# Altium PCB board_ordered.PcbDoc (part 2 of 3) (continued)
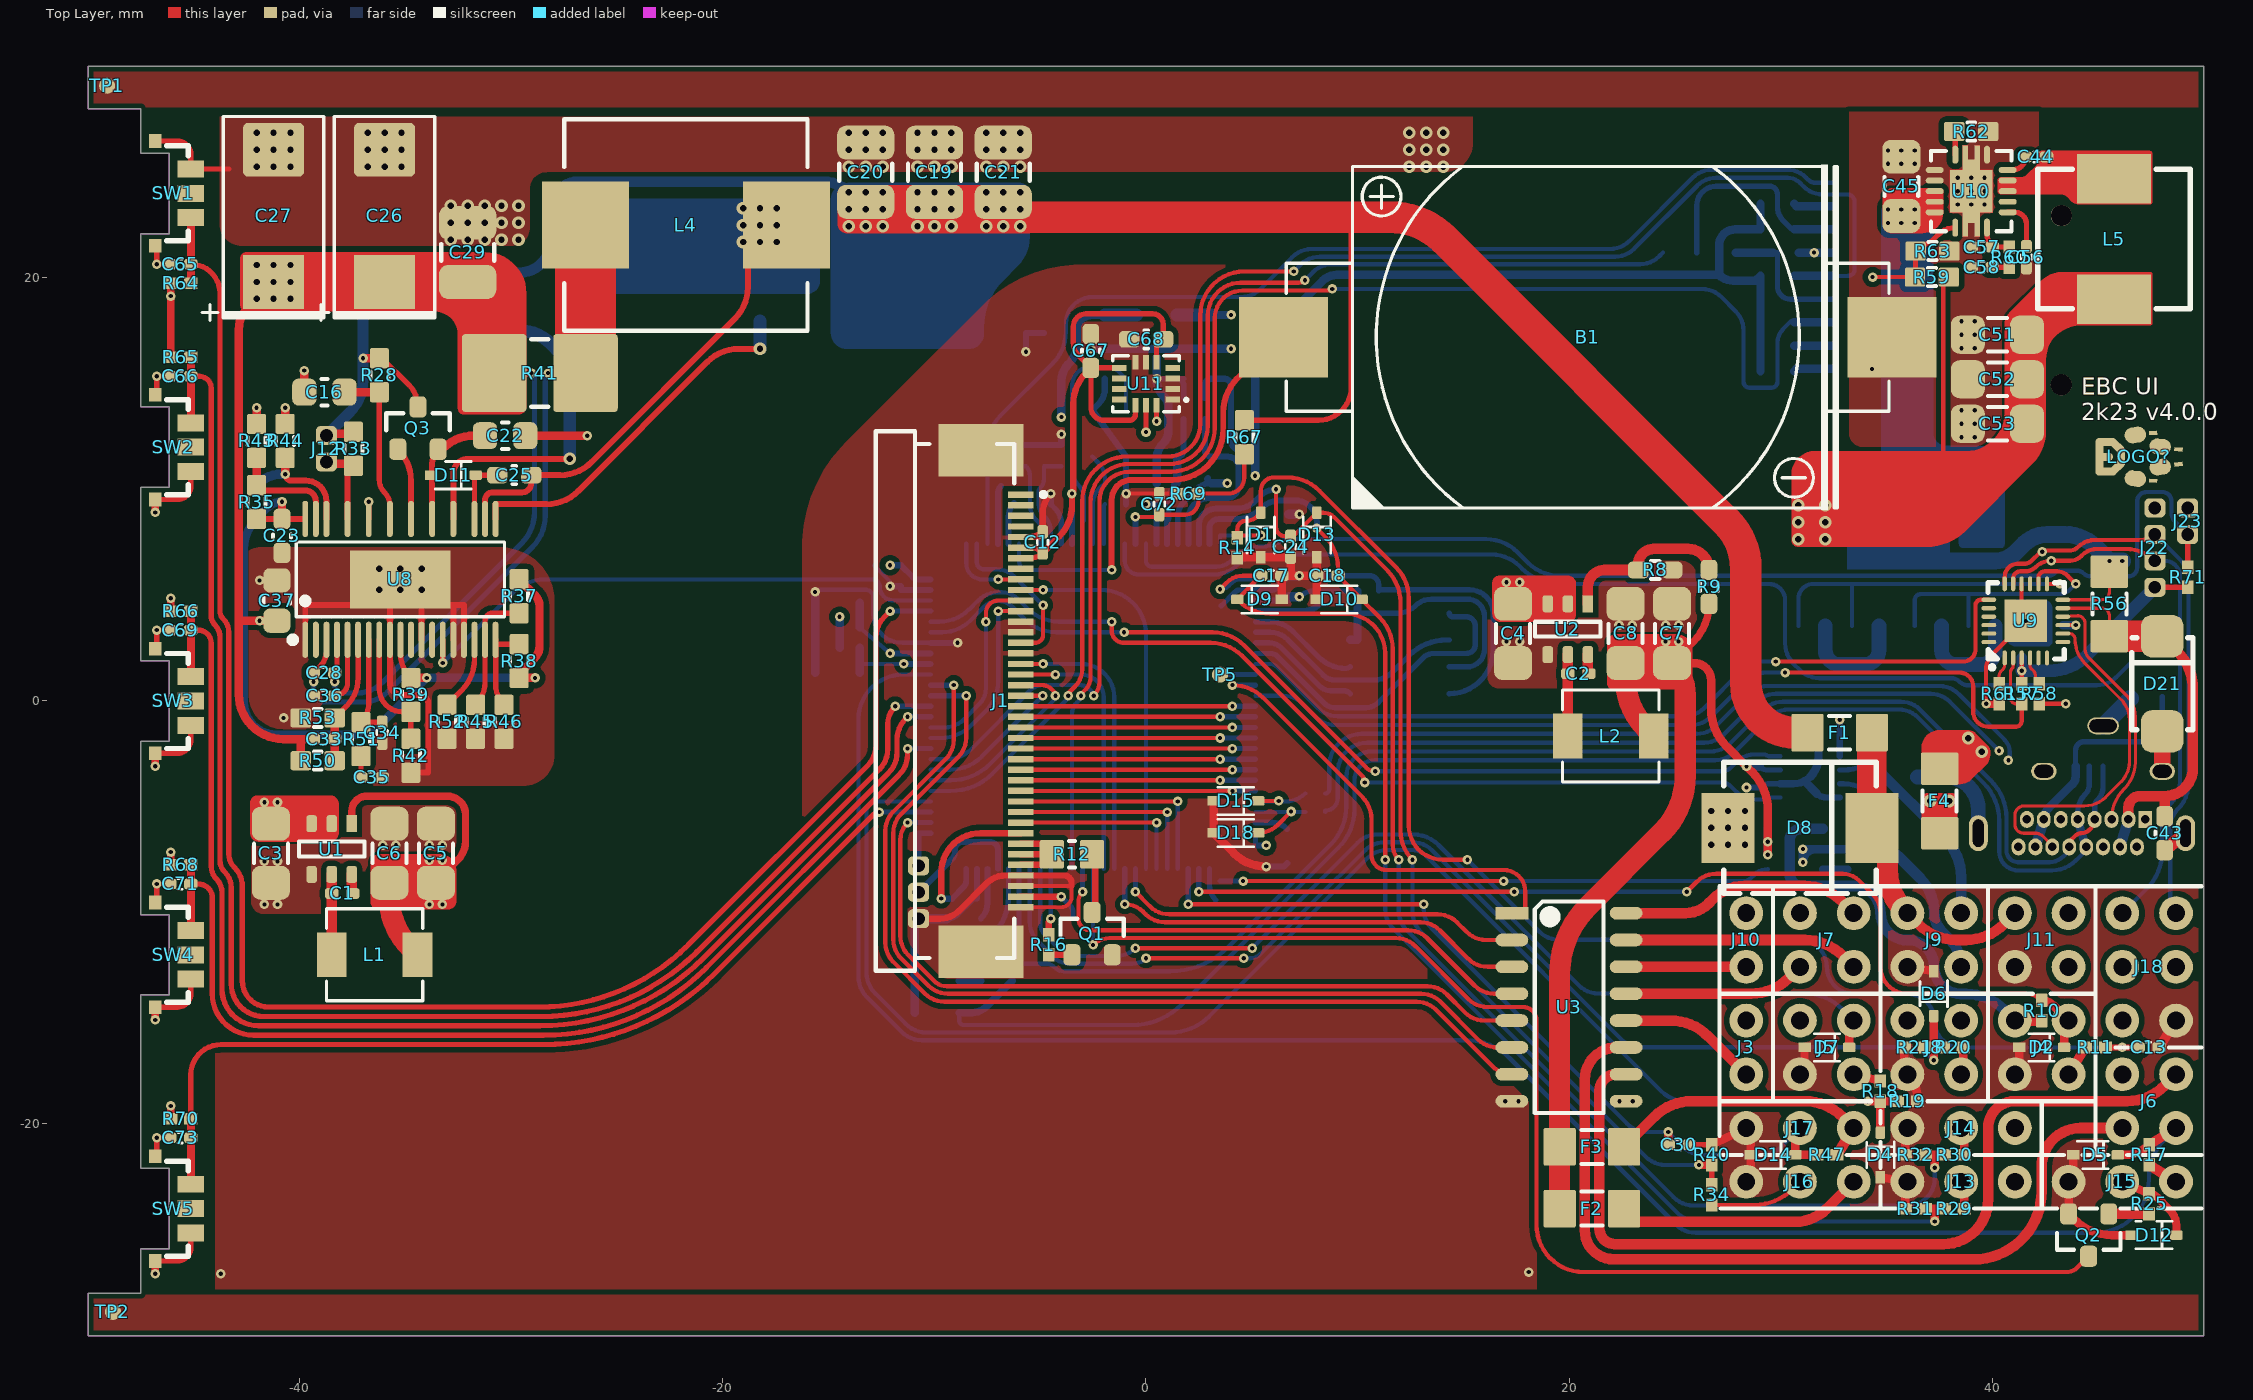
[diagram p0: Top Layer view]
## Nets (pads, with @x,y where several pads share a name; then routed paths per layer and width w, separated by ;. In a path a pad name is that pad's centre, name@x,y a point inside that pad or via, vN(x,y) a via of type N, cw(c..) or ccw(c..) an arc to the next point about the centre after c; other vN are vias at no path point) (continued)
  Top Layer w0.18: J1.40@-5.925,-9.75 -4,-9.75 ccw(c-4,-9.271) -3.521,-9.271 -3.521,-8.75 J1.38@-5.925,-8.75
  Top Layer w0.2: v1(-46.77,-20.65) C73.2@-46.163,-20.65 ; v1(-46.77,-8.65) C71.2@-46.163,-8.65 ; v1(-46.77,3.35) C69.2@-46.163,3.35 ; v1(-46.77,15.35) C66.2@-46.163,15.35 ; v1(-46.77,20.65) C65.2@-46.163,20.65 ; v1(-0.944,9.806) R69.2@1.524,9.806 ; v1(39.727,-0.131) cw(c39.727,-0.119) 39.716,-0.119 39.716,1.465 cw(c40.774,1.465) 40.025,2.213 v1(41.6,3.787) cw(c42.083,4.27) 41.4,4.27 U9.16@41.4,5.537
  Top Layer w0.25: SW5.4@-46.838,-26.475 -45.798,-26.475 ccw(c-45.798,-25.84) -45.163,-25.84 SW5.3@-45.163,-25.15 ; SW5.5@-46.838,-21.525 -46.77,-21.525 v1(-46.77,-20.65) ; SW4.4@-46.838,-14.475 -45.798,-14.475 ccw(c-45.798,-13.84) -45.163,-13.84 SW4.3@-45.163,-13.15 ; SW4.5@-46.838,-9.525 ccw(c-46.838,-9.457) -46.77,-9.457 v1(-46.77,-8.65) ; SW3.4@-46.838,-2.475 -45.798,-2.475 ccw(c-45.798,-1.84) -45.163,-1.84 SW3.3@-45.163,-1.15 ; SW3.5@-46.838,2.475 ccw(c-46.838,2.543) -46.77,2.543 v1(-46.77,3.35) ; SW2.4@-46.838,9.525 -45.798,9.525 ccw(c-45.798,10.16) -45.163,10.16 SW2.3@-45.163,10.85 ; SW2.5@-46.838,14.475 ccw(c-46.838,14.543) -46.77,14.543 v1(-46.77,15.35) ; SW1.4@-46.838,21.525 cw(c-46.838,21.457) -46.77,21.457 v1(-46.77,20.65) ; SW1.5@-46.838,26.475 -45.798,26.475 cw(c-45.798,25.84) -45.163,25.84 SW1.1@-45.163,25.15 -43.367,25.15 ; C30.1@25.687,-20.984 R40.1@26.75,-20.984
  Top Layer w0.28: U8.1@-39.75,2.892 -39.75,4.54 U8.39@-35.75,4.54 ; R42.2@-34.76,-3.386 -33.936,-3.386 -33.936,-0.121 ccw(c-34.348,-0.121) -34.348,0.291 -35.182,0.291 cw(c-35.182,0.859) -35.75,0.859 U8.9@-35.75,2.892 U8.39@-35.75,4.54 ; U8.12@-34.25,2.892 U8.39@-34.25,4.54 ; U8.15@-32.75,2.892 -32.75,4.54 ; U8.16@-32.25,2.892 -32.25,4.54 -32.75,4.54 ; U8.39@-35.75,4.54 U8.39@-34.25,4.54 ; U8.39@-34.25,4.54 -32.75,4.54
  Top Layer w0.3: J21.3@-10.75,-10.292 -9.751,-10.292 ccw(c-9.751,-8.997) -8.835,-9.913 -7.551,-8.629 cw(c-6.635,-9.545) -6.635,-8.25 J1.37@-5.925,-8.25 -3.878,-8.25 cw(c-3.878,-8.606) -3.521,-8.606 -3.521,-8.75 ; J1.5@-5.925,7.75 -5.489,7.75 ccw(c-5.489,8.604) C12.1@-4.886,8 -4.886,8.875 cw(c-3.569,8.875) v1(-4.5,9.806)
  Top Layer w0.35: v1(-46.838,-27.082) SW5.4@-46.838,-26.475 ; v1(-46.838,-15.082) SW4.4@-46.838,-14.475 ; v1(-46.838,-3.082) SW3.4@-46.838,-2.475 ; v1(-46.838,8.918) SW2.4@-46.838,9.525
  Top Layer w0.4: R43.2@-42.052,13.094 v1(-42.052,13.863) ; R44.2@-40.7,13.094 v1(-40.7,13.863) ; C16.2@-39.795,14.604 v1(-39.795,15.623) ; C22.2@-29.345,12.545 v1(-26.421,12.545) ; D15.1@3.195,-4.725 D18.1@3.195,-6.235 4.153,-7.193 ccw(c5.688,-5.658) v1(5.688,-7.829) ; R14.1@4.318,6.793 D1.1@5.428,6.793 C24.1@6.836,6.793 6.836,5.923 ; D9.1@6.428,4.803 C17.1@6.428,5.923 6.836,5.923 ; D10.1@8.079,4.803 C18.1@8.079,5.923 ; D13.1@8.079,6.793 C18.1@8.079,5.923 ; R40.1@26.75,-20.984 J17.3@28.38,-20.19 28.595,-20.405 D14.1@28.595,-21.46 28.595,-22.515 J16.3@28.38,-22.73 ; J5.3@30.92,-17.65 31.135,-17.435 D7.1@31.135,-16.38 ; D4.1@34.723,-22.515 J13.3@36,-22.73 ; J8.3@35.847,-17.65 R21.1@35.847,-16.38 ; R31.1@35.898,-24 J13.3@35.898,-22.73 ; R32.1@35.898,-21.46 J14.3@35.898,-20.19 ; J8.3@36,-17.65 cw(c34.85,-18.799) 36.476,-18.799 R19.1@36.476,-18.92 ; J9.3@36,-12.57 D6.1@37.244,-12.785 ; v1(39.727,-0.131) R61.2@40.335,-0.131 ; J4.3@41.08,-17.65 41.295,-17.435 D2.1@41.295,-16.38 ; D5.1@43.835,-21.46 43.835,-22.515 J15.3@43.62,-22.73 Q2.2@43.62,-24.25 43.876,-24.506 ccw(c45.672,-22.71) 45.672,-25.25 D12.1@46.604,-25.25 ; 6.836,5.923 v1(7.254,5.923) C18.1@8.079,5.923
  Top Layer w0.45: C13.1@47.906,-16.38 J18.6@48.7,-15.11
  Top Layer w0.6: C43.1@48.165,-7.05 J20.13@49.15,-6.25
  Top Layer w0.8: J19.7@48.05,-3.325 D21.1@48.05,-1.437
  Mid Layer 1 w0.5: J20.B1@41.25,-6.9 J20.A12@41.65,-5.6 ; J20.B12@46.85,-6.9 J20.A1@47.25,-5.6
  Bottom Layer w0.2: v1(-15.646,5.159) cw(c-15.542,5.159) -15.542,5.264 -13.27,5.264 cw(c-13.27,4.889) -12.895,4.889 -12.895,4.122 ccw(c-11.524,4.122) -11.524,2.75 U7.94@-10.18,2.75 ; -12.855,6.4 -12.101,5.646 v1(-12.101,5.423)
  Bottom Layer w0.25: 3.564,4.505 4.214,5.156 cw(c4.442,4.928) 4.442,5.25 U7.27@5.18,5.25 ; v1(7.254,5.923) C40.1@7.762,5.923 10.575,5.923 cw(c10.575,5.498) 11,5.498 C70.1@11,5.2 11.058,5.258 15.298,5.258 cw(c15.298,4.143) 16.413,4.143 16.413,2.418 cw(c14.34,2.418) U12.4@14.34,0.345 ; C14.1@29,-4.09 cw(c29.422,-4.513) 29.422,-3.915 U6.2@29.996,-3.915
  Bottom Layer w0.254: C60.1@-4.5,9.298 -4.29,9.088 cw(c-4.991,8.388) -4,8.388 U7.10@-4,7.43 ; v1(0.5,15.228) C48.1@1.48,15.228 ; L7.1@1.78,14.326 1.78,14.928 ccw(c1.48,14.928) C48.1@1.48,15.228 ; C48.1@1.78,15.228 C48.1@1.48,15.228
  Bottom Layer w0.28: C63.1@-11.593,5.423 -11.593,5.25 U7.99@-10.18,5.25 ; U7.94@-10.18,2.75 v1(-8.91,2.75) ; C41.1@-9.414,-10.292 ccw(c-9.414,-9.588) -8.916,-10.086 C64.1@-8.173,-9.343 -8,-9.343 U7.74@-8,-7.93 ; U7.27@5.18,5.25 5.914,5.25 ccw(c5.914,5.632) 6.185,5.362 C61.1@6.746,5.923
  Bottom Layer w0.3: v1(-12.101,5.423) C63.1@-11.593,5.423 ; C31.1@-6.55,12.1 C32.1@-4,12.1 v1(-4,12.608) ; v1(-5.675,16.511) -5.675,17.4 X1.3@-4.876,17.4 X1.3@-4.825,17.4 ; C60.1@-4.5,9.298 v1(-4.5,9.806) ; C46.1@-1.944,15.228 -1.944,14.762 cw(c-2.935,14.762) -2.234,14.061 X2.4@-2.544,13.751 X2.2@-0.944,11.551 C47.1@-0.944,10.314 v1(-0.944,9.806) C39.1@-0.944,9.298 ; C62.1@5.18,-7.829 v1(5.688,-7.829) 6.514,-7.829 C42.1@6.679,-7.664 ; v1(28.392,-4.09) C14.1@29,-4.09 ; U6.9@31.716,-4.379 ccw(c32.165,-3.93) 32.165,-4.565 U6.8@32.796,-4.565
  Bottom Layer w0.35: U6.2@29.996,-3.915 30.611,-3.915 ccw(c30.611,-2.806) 31.125,-3.789 ccw(c30.611,-2.806) U6.9@31.396,-3.59
  Bottom Layer w0.4: D16.1@-15.646,1.335 D17.1@-15.646,4.651 v1(-15.646,5.159) ; D20.1@-10.939,-14.732 D19.1@-10.939,-13.221 -10.939,-10.292 J21.3@-10.75,-10.292 ; v1(-2.605,16.65) C9.1@-1.944,16.65 C10.1@3.08,16.65 v1(4.02,16.65) ; C59.1@0.5,10.298 0.5,11.421 cw(c1.591,11.421) 0.82,12.193 ccw(c0.234,12.778) 1.062,12.778 1.062,13.91 ccw(c0.431,13.91) 0.877,14.356 ; U4.3@0.5,16.25 v1(0.5,15.228) ccw(c1.694,15.228) 0.85,14.384 0.877,14.357 ; C11.1@30.854,21.199 v1(31.589,21.199) J2.6@32.524,21.199 ; U6.9@31.125,-3.789 U6.9@31.716,-4.379 ; U6.9@31.396,-3.59 ccw(c30.43,-2.625) 31.796,-2.625 C15.1@31.796,-1.498 ; R13.2@33.173,-7 U5.2@32,-7 U5.2@31.68,-7 ; U5.2@31.68,-7 ccw(c31.68,-7.62) v1(31.06,-7.62) v1(31.06,-7) U5.2@31.68,-7
  Bottom Layer w0.45: J21.3@-10.75,-10.292 C41.1@-9.414,-10.292 ; C61.1@6.746,5.923 v1(7.254,5.923) ; C74.1@6.746,8.831 v1(7.254,8.831)
  Bottom Layer w0.7: D3.3@36.476,-3.59 37.819,-3.59 cw(c37.819,-5.122) 39.35,-5.122 J20.14@39.35,-6.25
  Bottom Layer w0.8: J19.8@45.25,-1.175 R55.2@46.55,0.125
  other v1: -43.75,-27.082 18.099,-27.002 16.99,-18.92 17.61,-18.92 -41.682,-9.616 -41.062,-9.616 -41.682,-7.584 -41.062,-7.584 -36.082,-6.816 -35.462,-6.816 -33.882,-6.816 -33.262,-6.816 -40.778,-0.8 17.043,2.81 17.662,2.81 22.363,3.578 22.983,3.578 24.563,3.578 25.183,3.578 -41.909,5.702 38.552,12.471 39.187,12.471 38.552,13.106 39.187,13.106 38.552,13.741 39.187,13.741 34.32,15.699 38.552,16.679 39.187,16.679 38.552,17.314 39.187,17.314 38.552,17.949 39.187,17.949 38.38,23.47 39.015,23.47 39.65,23.47 38.38,24.105 39.015,24.105 39.65,24.105 38.38,24.74 39.015,24.74 39.65,24.74 35.077,25.398 35.712,25.398 36.347,25.398 35.077,26.033 35.712,26.033 36.347,26.033
  other v2: 26.72,-6.8 27.52,-6.8 28.32,-6.8 26.72,-6 27.52,-6 28.32,-6 26.72,-5.2 27.52,-5.2 28.32,-5.2 -32.87,21.812 -32.07,21.812 -31.27,21.812 -30.47,21.812 -29.67,21.812 -32.87,22.612 -32.07,22.612 -31.27,22.612 -30.47,22.612 -29.67,22.612 -32.87,23.412 -32.07,23.412 -31.27,23.412 -30.47,23.412 -29.67,23.412 -42.05,25.261 -41.25,25.261 -40.45,25.261 -36.8,25.261 -36,25.261 -35.2,25.261 -14.05,25.261 -13.25,25.261 -12.45,25.261 -10.8,25.261 -10,25.261 -9.2,25.261 -7.55,25.261 -6.75,25.261 -5.95,25.261 12.45,25.261 13.25,25.261 14.05,25.261 -42.05,26.061 -41.25,26.061 -40.45,26.061 -36.8,26.061 -36,26.061 -35.2,26.061 -14.05,26.061 -13.25,26.061 -12.45,26.061 -10.8,26.061 -10,26.061 -9.2,26.061 -7.55,26.061 -6.75,26.061 -5.95,26.061 12.45,26.061 13.25,26.061 14.05,26.061 -42.05,26.861 -41.25,26.861 -40.45,26.861 -36.8,26.861 -36,26.861 -35.2,26.861 -14.05,26.861 -13.25,26.861 -12.45,26.861 -10.8,26.861 -10,26.861 -9.2,26.861 -7.55,26.861 -6.75,26.861 -5.95,26.861 12.45,26.861 13.25,26.861 14.05,26.861
  other v3: -36.25,5.25 -35.25,5.25 -34.25,5.25 -36.25,6.25 -35.25,6.25 -34.25,6.25
LIGHT_B: U3.2 U7.59 | length 19.7
  Top Layer w0.2: v1(-0.5,-9.022) 0.186,-9.708 ccw(c1.102,-8.792) 1.102,-10.088 13.796,-10.088 cw(c13.796,-11.383) 14.712,-10.467 15.165,-10.921 ccw(c16.081,-10.005) 16.081,-11.3 U3.2@17.3,-11.3
  Bottom Layer w0.25: v1(-0.5,-9.022) U7.59@-0.5,-7.93
LIGHT_B_O\C\: J7.4 U3.15 | length 11.2
  Top Layer w0.5: U3.15@22.7,-11.3 31.137,-11.3 cw(c31.137,-13.84) 32.934,-12.044 J7.4@33.46,-12.57
LIGHT_G: U3.4 U7.64 | length 24.4
  Top Layer w0.2: v1(-3,-9.022) ccw(c-2.527,-9.495) -3.196,-9.495 -3.196,-10.292 ccw(c-2.651,-10.292) -2.651,-10.837 12.384,-10.837 cw(c12.384,-12.133) 13.3,-11.217 15.543,-13.461 ccw(c16.459,-12.545) 16.459,-13.84 U3.4@17.3,-13.84
  Bottom Layer w0.25: v1(-3,-9.022) U7.64@-3,-7.93
LIGHT_G_O\C\: J7.3 U3.13 | length 8.6
  Top Layer w0.5: U3.13@22.7,-13.84 28.597,-13.84 ccw(c28.597,-11.3) 30.394,-13.096 J7.3@30.92,-12.57
LIGHT_HEAD1: U3.7 U7.90 | length 46.8
  Top Layer w0.2: v1(-9.088,0.75) -9.088,-1.826 cw(c-10.383,-1.826) -9.467,-2.742 -11.944,-5.219 ccw(c-11.028,-6.135) -12.324,-6.135 -12.324,-11.425 ccw(c-11.028,-11.425) -11.944,-12.341 -10.445,-13.84 ccw(c-9.529,-12.924) -9.529,-14.219 12.793,-14.219 cw(c12.793,-15.515) 13.709,-14.599 16.381,-17.271 ccw(c17.297,-16.355) 17.297,-17.65 U3.7@17.3,-17.65
  Bottom Layer w0.25: U7.90@-10.18,0.75 v1(-9.088,0.75)
LIGHT_HEAD1_O\C\: J6.2 U3.10 | length 41.6
  Top Layer w0.5: U3.10@22.7,-17.65 22.223,-17.65 ccw(c22.223,-18.436) 21.438,-18.436 21.438,-24.948 ccw(c22.168,-24.948) 22.168,-25.679 37.706,-25.679 ccw(c37.706,-23.569) 39.816,-23.569 39.816,-20.19 cw(c41.086,-20.19) 41.086,-18.92 46.378,-18.92 ccw(c46.378,-16.38) 48.162,-18.188 ccw(c46.378,-16.38) 48.174,-18.176 J6.2@48.7,-17.65
LIGHT_HEAD2: U3.6 U7.89 | length 46
  Top Layer w0.2: v1(-8.5,0.25) -8.5,-1.727 cw(c-9.795,-1.727) -8.879,-2.643 -11.572,-5.335 ccw(c-10.656,-6.251) -11.951,-6.251 -11.951,-11.262 ccw(c-10.656,-11.262) -11.572,-12.178 -10.289,-13.461 ccw(c-9.373,-12.545) -9.373,-13.84 13.005,-13.84 cw(c13.005,-15.135) 13.921,-14.219 15.702,-16.001 ccw(c16.618,-15.085) 16.618,-16.38 U3.6@17.3,-16.38
  Bottom Layer w0.25: U7.89@-10.18,0.25 v1(-8.5,0.25)
LIGHT_HEAD2_O\C\: J6.3 U3.11 | length 40.2
  Top Layer w0.5: U3.11@22.7,-16.38 22.261,-16.38 ccw(c22.261,-17.896) 20.745,-17.896 20.745,-25.028 ccw(c22.116,-25.028) 22.116,-26.398 39.129,-26.398 ccw(c39.129,-23.184) 42.343,-23.184 42.343,-22.043 cw(c44.196,-22.043) 44.196,-20.19 J6.3@46.16,-20.19
LIGHT_HEAD_SER: D5.2 J6.4 R17.1 U7.91 | length 90.3
  Top Layer w0.4: D5.2@45.945,-21.46 46.281,-21.46 ccw(c46.281,-19.835) R17.1@47.43,-20.984
  Top Layer w0.45: R17.1@47.43,-20.984 J6.4@48.7,-20.19
  Bottom Layer w0.2: U7.91@-10.18,1.25 -11.485,1.25 ccw(c-11.485,-0.858) -13.593,-0.858 -13.593,-13.04 ccw(c-12.222,-13.04) -13.191,-14.01 -11.565,-15.636 ccw(c-10.595,-14.666) -10.595,-16.037 15.166,-16.037 cw(c15.166,-18.877) 17.174,-16.869 25.071,-24.767 ccw(c25.987,-23.851) 25.987,-25.146 44.877,-25.146 ccw(c44.877,-22.606) 47.417,-22.606 47.417,-22.525 cw(c49.957,-22.525) 48.161,-20.729 J6.4@48.7,-20.19
LIGHT_LEFT: U3.5 U7.77 | length 37.2
  Top Layer w0.2: v1(-11.272,-5.75) ccw(c-10.445,-6.577) -11.615,-6.577 -11.615,-11.105 ccw(c-10.319,-11.105) -11.235,-12.021 -10.012,-13.243 ; -10.012,-13.244 ccw(c-9.423,-12.654) -9.423,-13.487 13.307,-13.487 cw(c13.307,-14.783) 14.223,-13.867 15.086,-14.731 ccw(c16.002,-13.815) 16.002,-15.11 U3.5@17.3,-15.11
  Bottom Layer w0.25: v1(-11.272,-5.75) U7.77@-10.18,-5.75
LIGHT_LEFT_O\C\: J3.2 U3.12 | length 6.6
  Top Layer w0.5: U3.12@22.7,-15.11 24.787,-15.11 cw(c24.787,-17.65) 26.584,-15.854 J3.2@28.38,-17.65
LIGHT_R: U3.1 U7.36 | length 21.5
  Top Layer w0.2: v1(4.088,0.75) cw(c4.088,-1.314) 5.547,0.146 10.214,-4.521 cw(c9.122,-5.613) 10.666,-5.613 10.666,-7.291 ccw(c11.367,-7.291) 11.367,-7.991 16.908,-7.991 cw(c16.908,-9.018) 17.935,-9.018 U3.1@17.935,-10.03
  Bottom Layer w0.25: v1(4.088,0.75) U7.36@5.18,0.75
LIGHT_R_O\C\: J7.2 U3.16 | length 11.6
  Top Layer w0.5: U3.16@22.7,-10.03 25.497,-10.03 ccw(c25.497,-8.479) 26.594,-9.576 26.804,-9.365 cw(c28.32,-10.88) 28.32,-8.738 31.115,-8.738 cw(c31.115,-11.278) 32.911,-9.482 J7.2@33.46,-10.03
LIGHT_RIGHT: U3.3 U7.60 | length 21
  Top Layer w0.2: v1(-1,-9.61) cw(c-1,-10.845) -0.127,-9.972 -0.015,-10.083 ccw(c0.901,-9.167) 0.901,-10.463 12.973,-10.463 cw(c12.973,-11.758) 13.889,-10.842 15.237,-12.191 ccw(c16.153,-11.275) 16.153,-12.57 U3.3@17.3,-12.57
  Bottom Layer w0.25: v1(-1,-9.61) U7.60@-1,-7.93
LIGHT_RIGHT_O\C\: J10.2 U3.14 | length 5.7
  Top Layer w0.5: U3.14@22.7,-12.57 J10.2@28.38,-12.57
NetB1_1: B1.1 U7.6 | length 21.5
  Top Layer w0.28: v1(-1.624,6.194) -1.624,9.504 cw(c-0.672,9.504) -0.672,10.456 1.262,10.456 ccw(c1.262,12.846) 3.651,12.846 3.651,13.64 cw(c5.944,13.64) 4.323,15.261 6.262,17.2 B1.1@6.5,17.2
  Bottom Layer w0.2: U7.6@-6,7.43 -6,6.621 ccw(c-5.573,6.621) -5.573,6.194 v1(-1.624,6.194)
NetC1_1: C1.1 U1.6 | length 0.9
  Top Layer w0.5: U1.6@-37.55,-8.2 -37.55,-9.05 ccw(c-37.5,-9.05) C1.1@-37.5,-9.1
NetC1_2: C1.2 L1.1 U1.5 | length 3.8
  Top Layer w0.5: L1.1@-38.5,-12 C1.2@-38.5,-9.1 U1.5@-38.5,-8.2
NetC2_1: C2.1 U2.6 | length 0.9
  Top Layer w0.5: U2.6@20.895,2.194 20.895,1.344 ccw(c20.945,1.344) C2.1@20.945,1.294
NetC2_2: C2.2 L2.1 U2.5 | length 3.8
  Top Layer w0.5: L2.1@19.945,-1.606 C2.2@19.945,1.294 U2.5@19.945,2.194
NetC11_2: C11.2 J2.4 L3.2 | length 6.4
  Bottom Layer w0.25: C11.2@29.854,21.199 29.854,19.613 ccw(c30.467,19.613) 30.467,18.999 J2.4@32.524,18.999
  Bottom Layer w0.4: L3.2@27.88,21.199 C11.2@29.654,21.199
NetC16_1: C16.1 R28.2 U8.30 | length 7.8
  Top Layer w0.25: R28.2@-36.25,14.604 -36.25,10.461 ccw(c-35.397,10.461) -36,9.857 cw(c-36.604,9.254) -35.75,9.254 U8.30@-35.75,8.607
  Top Layer w0.4: C16.1@-37.89,14.604 R28.2@-36.25,14.604
NetC22_1: C22.1 D11.1 Q3.2 U8.26 | length 5.5
  Top Layer w0.28: U8.26@-33.75,8.607 -33.75,11.226 cw(c-32.795,11.226) Q3.2@-33.47,11.901
  Top Layer w0.4: Q3.2@-33.256,11.928 cw(c-31.765,10.437) -31.765,12.545 C22.1@-31.25,12.545
NetC25_1: C25.1 L4.1 Q4.3 Q5.2 U8.21 | length 19.5
  Top Layer w0.28: U8.21@-31.25,8.607 -31.25,9.5 cw(c-30.885,9.5) -30.885,9.865 -29.496,9.865 ccw(c-29.496,10.295) -29.066,10.295 C25.1@-29.066,10.675 -27.709,10.675 ccw(c-27.709,12.783) -26.219,11.292 -19.441,18.071 ccw(c-20.931,19.561) -18.823,19.561 L4.1@-18.823,20.946
  other v2: -19.05,21.7 -18.25,21.7 -17.45,21.7 -19.05,22.5 -18.25,22.5 -17.45,22.5 -19.05,23.3 -18.25,23.3 -17.45,23.3
NetC25_2: C25.2 D11.2 U8.22 | length 3.2
  Top Layer w0.25: U8.22@-31.75,8.607 -31.75,10.675 C25.2@-30.667,10.675
NetC28_2: C28.2 L4.2 R41.1 U8.3 | length 26.5
  Top Layer w0.25: C28.2@-39.36,1.331 -39.055,1.636 ccw(c-39.791,2.372) -38.75,2.372 U8.3@-38.75,2.892
  Top Layer w0.4: v1(-39.36,0.913) C28.2@-39.36,1.331 ; v1(-28.267,15.507) R41.1@-26.5,15.507
  Bottom Layer w0.25: v1(-39.36,0.913) -39.36,0.432 ccw(c-38.879,0.432) -38.879,-0.05 -37.016,-0.05 ccw(c-37.016,1.594) -35.854,0.432 -29.022,7.263 ccw(c-30.513,8.754) -29.021,7.264 ccw(c-30.513,8.754) -28.405,8.754 -28.405,15.175 cw(c-27.935,15.175) v1(-28.267,15.507)
NetC31_2: C31.2 U7.8 X1.1 | length 4.9
  Bottom Layer w0.2: C31.2@-6.677,11.1 X1.1@-5.726,11.1 -5.675,11.1 cw(c-6.136,10.638) -5.484,10.638 -5.484,9.267 ccw(c-4.493,9.267) -5.194,8.567 -5.096,8.469 cw(c-5.328,8.237) -5,8.237 U7.8@-5,7.43
NetC32_2: C32.2 U7.9 X1.4 | length 4.7
  Bottom Layer w0.2: U7.9@-4.5,7.43 -4.5,8.023 ccw(c-5.491,8.023) -4.79,8.723 -4.876,8.809 cw(c-4.405,9.279) -5.07,9.279 -5.07,9.904 cw(c-4.791,9.904) -4.988,10.102 ccw(c-5.383,10.496) -4.825,10.496 -4.825,11.1 C32.2@-4,11.1
NetC33_2: C33.2 R50.2 R53.1 U8.6 | length 6.1
  Top Layer w0.25: R53.1@-38.36,-0.8 -37.805,-0.245 ccw(c-39.145,1.095) -37.25,1.095 U8.6@-37.25,2.892
  Top Layer w0.4: R50.2@-38.36,-2.825 R53.1@-38.36,-0.8
NetC34_1: C34.1 R51.1 U8.7 | length 5
  Top Layer w0.25: U8.7@-36.75,2.892 -36.75,-0.121 cw(c-37.993,-0.121) R51.1@-37.114,-1 C34.1@-36.114,-1
NetC35_1: C35.1 R51.2 | length 1
  Top Layer w0.25: C35.1@-37.114,-3.615 R51.2@-37.114,-2.6
NetC36_1: C36.1 U8.5 | length 3
  Top Layer w0.25: C36.1@-38.36,0.243 ccw(c-38.36,0.853) -37.75,0.853 U8.5@-37.75,2.892
NetC39_2: C39.2 U7.14 | length 1.9
  Bottom Layer w0.2: U7.14@-2,7.43 -2,9.164 cw(c-1.81,9.164) C39.2@-1.944,9.298
NetC41_2: C41.2 U7.73 | length 2.4
  Bottom Layer w0.28: C41.2@-7.814,-10.292 -7.79,-10.269 ccw(c-8.491,-9.569) -7.5,-9.569 U7.73@-7.5,-7.93
NetC42_2: C42.2 U7.49 | length 1.6
  Bottom Layer w0.28: U7.49@5.18,-5.75 5.955,-5.75 cw(c5.955,-6.741) 6.655,-6.04 C42.2@6.679,-6.064
NetC43_2: C43.2 D21.2 J19.1 J20.A4 J20.A9 J20.B4 J20.B9 R54.1 R56.2 U9.11 | length 39
  Top Layer w0.15: U9.11@43.35,4.387 45.194,4.387 cw(c45.194,4.031) 45.55,4.031 R56.2@45.55,3.063
  Top Layer w0.5: J20.A4@46.45,-5.6 46.45,-5.05 cw(c47,-5.05) 47,-4.5 48.165,-4.5 ; D21.2@48.05,3.063 48.756,2.357 cw(c46.96,0.561) 49.5,0.561 49.5,-3.165 cw(c48.165,-3.165) 48.165,-4.5 ; C43.2@48.165,-5.45 48.165,-4.5
  Top Layer w1.5: R56.2@45.55,3.063 D21.2@48.05,3.063
  Mid Layer 1 w0.5: J20.B4@42.05,-6.9 J20.A9@42.45,-5.6 42.45,-5.251 cw(c43.079,-5.251) 43.079,-4.623 45.822,-4.623 cw(c45.822,-5.251) 46.45,-5.251 J20.A4@46.45,-5.6 J20.B9@46.05,-6.9
  Bottom Layer w0.25: J19.1@43.95,-3.075 43.95,-2.318 cw(c44.339,-2.318) 44.339,-1.929 47.25,-1.929 ccw(c47.25,-1.129) 48.05,-1.129 R54.1@48.05,0.2
  Bottom Layer w0.4: J20.A9@42.45,-5.6 cw(c43.206,-5.6) 42.671,-5.065 43.811,-3.926 ccw(c43.475,-3.59) 43.95,-3.59 J19.1@43.95,-3.075
  Bottom Layer w0.5: J20.B4@42.05,-6.9 J20.A9@42.45,-5.6 ; J20.B9@46.05,-6.9 J20.A4@46.45,-5.6
NetC44_1: C44.1 L5.1 U10.11 U10.12
NetC44_2: C44.2 U10.13 | length 1.2
  Top Layer w0.25: U10.13@40.74,25.105 40.96,25.105 ccw(c40.96,25.723) C44.2@41.578,25.723
NetC46_2: C46.2 U7.12 X2.3 | length 12.4
  Bottom Layer w0.2: U7.12@-3,7.43 -3,8.44 cw(c-2.916,8.44) -2.976,8.499 ccw(c-3.087,8.61) -2.929,8.61 -2.929,9.543 ccw(c-3.912,9.543) -3.217,10.238 cw(c-2.578,10.877) -3.482,10.877 -3.482,14.957 cw(c-2.667,14.957) -2.667,15.772 -1.722,15.772 cw(c-1.722,15.206) -1.322,15.606 C46.2@-0.944,15.228 X2.3@-0.944,13.751
NetC47_2: C47.2 U7.13 X2.1 | length 4.5
  Bottom Layer w0.2: X2.1@-2.544,11.551 -2.234,11.242 cw(c-2.935,10.541) -1.944,10.541 C47.2@-1.944,10.314 -2.21,10.049 ccw(c-1.509,9.348) -2.5,9.348 U7.13@-2.5,7.43
NetC49_2: C49.2 C50.2 L6.2 U7.22 | length 8.9
  Bottom Layer w0.28: U7.22@2,7.43 2,8.602 cw(c2.991,8.602) 2.991,9.593 3.819,9.593 ccw(c3.819,10.143) 4.37,10.143 4.37,11.055 ccw(c3.873,11.055) 3.873,11.551 3.08,11.551 cw(c3.08,11.852) 2.78,11.852 C50.2@2.78,12.493 L6.2@2.78,13.326
NetC56_1: C56.1 U10.9 | length 2.3
  Top Layer w0.25: U10.9@40.74,23.105 41.083,23.105 cw(c41.083,22.562) 41.626,22.562 C56.1@41.626,21.487
NetC57_1: C57.1 R60.1 U10.8 | length 1.8
  Top Layer w0.25: U10.8@39.765,22.38 39.765,22.066 ccw(c40.618,22.066) C57.1@40.015,21.463 R60.1@40.818,21.463
NetC58_1: C58.1 R60.2 | length 0.8
  Top Layer w0.25: C58.1@40.016,20.511 R60.2@40.818,20.511
NetD8_2: D8.2 F1.2 J9.1 J11.1 | length 20.9
  Top Layer w0.5: J9.1@36,-10.03 36.526,-10.556 ccw(c38.322,-8.76) 38.322,-11.3 38.757,-11.3 ccw(c38.757,-8.76) 40.554,-10.556 J11.1@41.08,-10.03
  Top Layer w1: D8.2@34.32,-6 34.852,-6.533 cw(c34.357,-7.029) 35.058,-7.029 35.058,-8.036 ccw(c37.598,-8.036) 35.802,-9.832 J9.1@36,-10.03
  Top Layer w1.4: D8.2@34.32,-6 F1.2@34.32,-1.5
  Mid Layer 1 w0.5: J9.1@36,-10.03 36.526,-9.504 cw(c38.322,-11.3) 38.322,-8.76 38.757,-8.76 cw(c38.757,-11.3) 40.554,-9.504 J11.1@41.08,-10.03
NetJ2_1: J2.1 R4.1 | length 1.9
  Bottom Layer w0.4: R4.1@30.654,15.599 30.754,15.699 J2.1@32.524,15.699
NetJ2_2: J2.2 R3.1 | length 1.9
  Bottom Layer w0.4: R3.1@30.654,16.799 J2.2@32.524,16.799
NetJ2_7: J2.7 R6.1 R7.1 | length 10.7
  Bottom Layer w0.25: R7.1@26.039,21.199 26.039,23.416 cw(c26.962,23.416) 26.962,24.339 29.476,24.339 cw(c29.476,23.962) 29.854,23.962 29.854,23.363 ccw(c30.769,23.363) 30.122,22.716 R6.1@30.457,22.381 ; R6.1@30.457,22.381 ccw(c30.654,22.578) R6.1@30.654,22.299
  Bottom Layer w0.4: R6.1@30.654,22.299 J2.7@32.524,22.299
NetJ2_8: J2.8 R5.1 | length 1.9
  Bottom Layer w0.4: R5.1@30.654,23.499 30.754,23.399 J2.8@32.524,23.399
NetJ4_4: J4.4 R11.2 | length 1.5
  Top Layer w0.45: J4.4@43.62,-17.65 R11.2@44.414,-16.38
NetJ5_4: J5.4 R18.1 | length 1.3
  Top Layer w0.4: J5.4@33.46,-17.65 R18.1@34.723,-17.968
NetJ8_4: J8.4 R20.1 | length 1.3
  Top Layer w0.4: J8.4@38.641,-17.65 R20.1@38.641,-16.38
NetJ12_2: J12.2 R33.2 U8.34 | length 3.9
  Top Layer w0.28: U8.34@-37.75,8.607 R33.2@-37.75,11.21
  Top Layer w0.4: J12.2@-38.75,11.3 -38.75,11.21 -37.75,11.21 R33.2@-37.56,11.21
NetJ13_2: J13.2 R29.1 | length 1.3
  Top Layer w0.4: R29.1@38.692,-24 J13.2@38.692,-22.73
NetJ14_2: J14.2 R30.1 | length 1.3
  Top Layer w0.4: R30.1@38.692,-21.46 J14.2@38.692,-20.19
NetJ16_2: J16.2 R34.1 | length 4.5
  Top Layer w0.2: R34.1@26.75,-23.825 28.773,-23.825 ccw(c28.773,-21.285) 30.569,-23.081 J16.2@30.92,-22.73
NetJ18_3: J18.3 R48.2 | length 53.2
  Mid Layer 1 w0.2: v1(40.775,-2.797) cw(c41.57,-3.591) 41.57,-2.467 44.36,-2.467 cw(c44.36,-4.633) 45.891,-3.102 47.611,-4.822 cw(c46.959,-5.474) 47.881,-5.474 47.881,-6.519 cw(c46.747,-6.519) 47.549,-7.321 47.529,-7.341 ccw(c48.201,-8.014) 47.25,-8.014 47.25,-10.428 cw(c44.71,-10.428) 46.506,-12.224 J18.3@46.16,-12.57
  Bottom Layer w0.2: R48.2@8.476,-4.37 ccw(c8.476,-4.186) 8.66,-4.186 8.66,-3.089 cw(c10.195,-3.089) 10.195,-1.554 26.04,-1.554 ccw(c26.04,-0.259) 26.956,-1.175 28.461,0.33 cw(c29.377,-0.586) 29.377,0.709 37.508,0.709 cw(c37.508,-0.586) 38.424,0.33 40.606,-1.852 cw(c40.049,-2.409) 40.837,-2.409 40.837,-2.735 v1(40.775,-2.797)
NetJ18_4: J18.4 R49.1 | length 53.4
  Mid Layer 1 w0.2: v1(40.333,-2.354) cw(c41.013,-3.034) 41.013,-2.072 44.438,-2.072 cw(c44.438,-4.407) 46.089,-2.756 47.849,-4.517 cw(c46.892,-5.474) 48.245,-5.474 48.245,-6.621 cw(c47.028,-6.621) 47.889,-7.482 47.791,-7.58 ccw(c48.226,-8.014) 47.611,-8.014 47.611,-10.429 ccw(c50.151,-10.429) 48.355,-12.225 J18.4@48.7,-12.57
  Bottom Layer w0.2: R49.1@8.476,-5.25 8.476,-5.184 ccw(c8.476,-4.599) 9.061,-4.599 9.061,-3.375 cw(c10.465,-3.375) 10.465,-1.97 26.398,-1.97 ccw(c26.398,-0.675) 27.314,-1.591 28.864,-0.041 cw(c29.78,-0.957) 29.78,0.339 37.103,0.339 cw(c37.103,-0.957) 38.019,-0.041 v1(40.333,-2.354)
NetQ1_1: Q1.1 R16.2 | length 1.1
  Top Layer w0.3: R16.2@-4.597,-12 Q1.1@-3.498,-12